# KiCad board 4servoboard-4x4.kicad_pcb (continued)
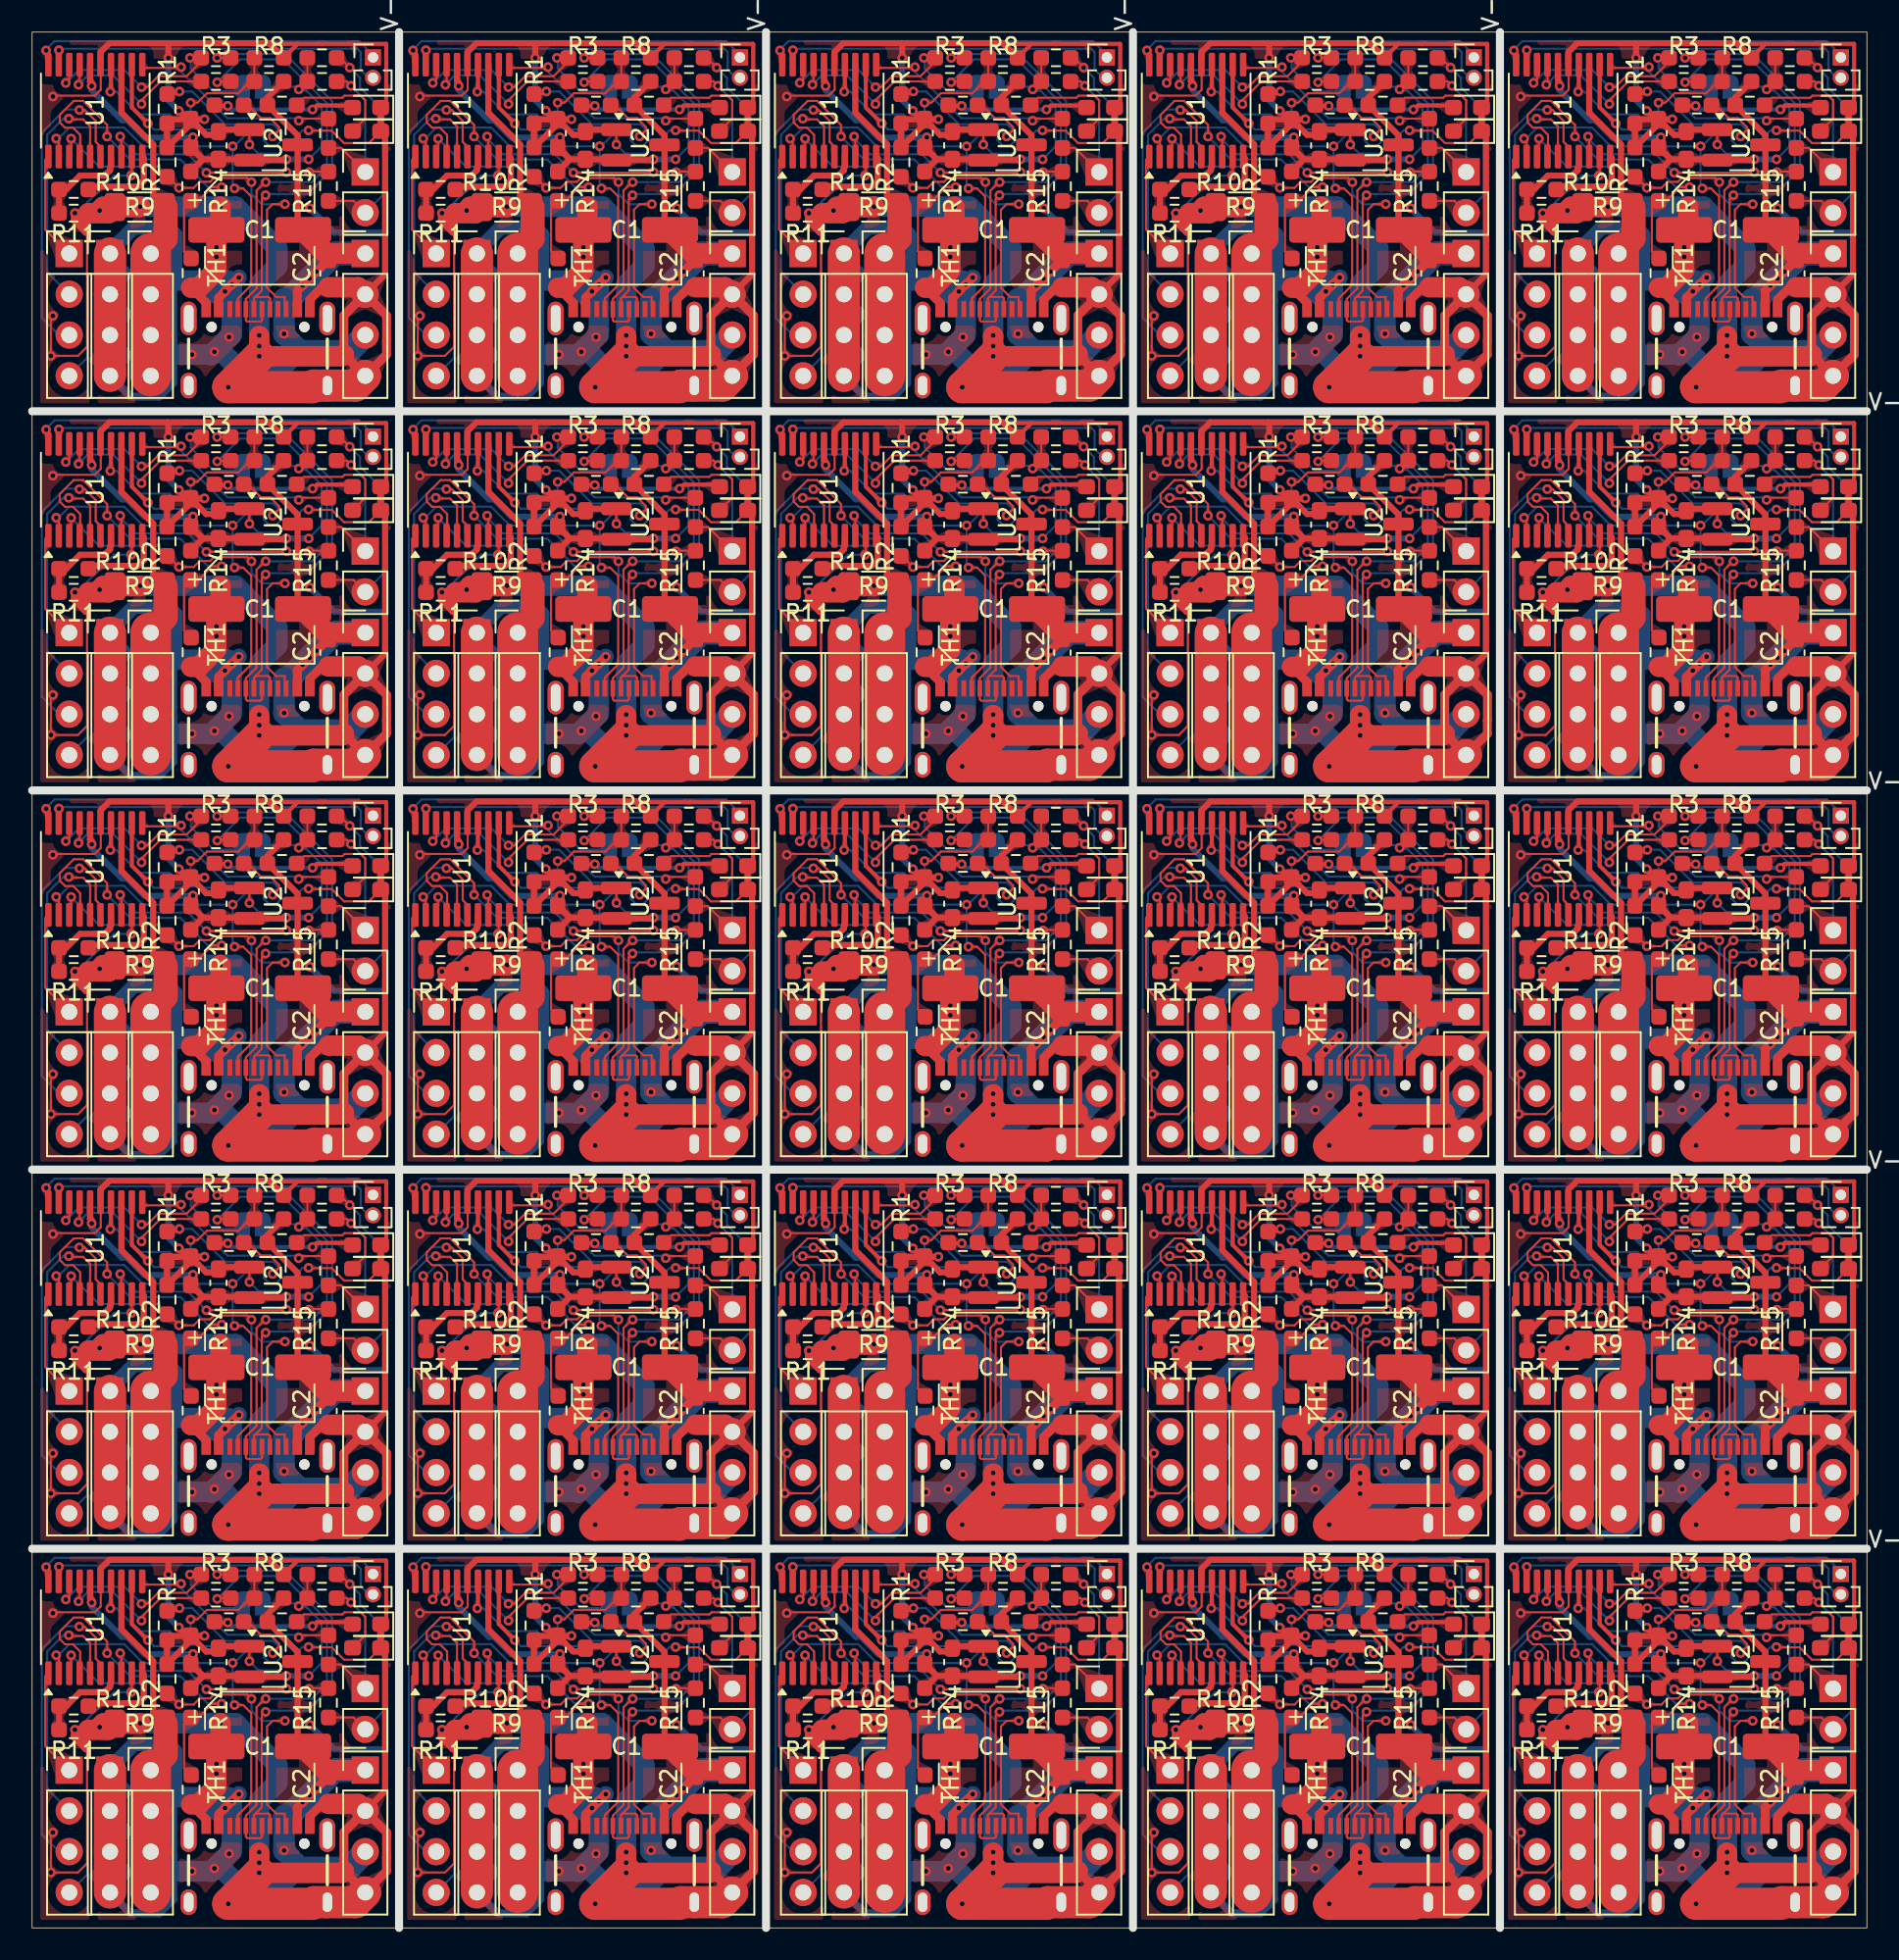
[diagram p0: board, top side]
## Routing (per net, layer and track width the routed paths; a pad name or vN(x,y) marks a point on that pad's centre or on a via; arc(x,y) is an arc through that point) (continued)
  Bottom w0.127: v1(71.47,20.34) 71.64,20.34 71.73,20.43 71.73,20.61 72.05,20.93 73.61,20.93 v1(75.4,19.14) ; v1(48.61,114.83) 48.78,114.83 48.87,114.92 48.87,115.09 49.19,115.42 50.75,115.42 v1(52.54,113.63) ; v1(25.75,91.21) 25.92,91.21 26.01,91.3 26.01,91.47 26.33,91.8 27.89,91.8 v1(29.68,90.01) ; v1(2.89,114.83) 3.06,114.83 3.15,114.92 3.15,115.09 3.47,115.42 5.03,115.42 v1(6.82,113.63) ; v1(29.68,42.76) 27.89,44.55 26.33,44.55 26.01,44.23 26.01,44.05 25.92,43.96 v1(25.75,43.96) ; v1(75.4,113.63) 73.61,115.42 72.05,115.42 71.73,115.09 71.73,114.92 71.64,114.83 v1(71.47,114.83) ; v1(71.47,43.96) 71.64,43.96 71.73,44.05 71.73,44.23 72.05,44.55 73.61,44.55 v1(75.4,42.76) ; v1(98.26,42.76) 96.47,44.55 94.91,44.55 94.59,44.23 94.59,44.05 94.5,43.96 v1(94.33,43.96) ; v1(25.75,20.34) 25.92,20.34 26.01,20.43 26.01,20.61 26.33,20.93 27.89,20.93 v1(29.68,19.14) ; v1(48.61,67.59) 48.78,67.59 48.87,67.67 48.87,67.85 49.19,68.17 50.75,68.17 v1(52.54,66.39) ; v1(48.61,20.34) 48.78,20.34 48.87,20.43 48.87,20.61 49.19,20.93 50.75,20.93 v1(52.54,19.14) ; v1(52.54,90.01) 50.75,91.8 49.19,91.8 48.87,91.47 48.87,91.3 48.78,91.21 v1(48.61,91.21) ; v1(94.33,114.83) 94.5,114.83 94.59,114.92 94.59,115.09 94.91,115.42 96.47,115.42 v1(98.26,113.63) ; v1(6.82,90.01) 5.03,91.8 3.47,91.8 3.15,91.47 3.15,91.3 3.06,91.21 v1(2.89,91.21) ; v1(71.47,67.59) 71.64,67.59 71.73,67.67 71.73,67.85 72.05,68.17 73.61,68.17 v1(75.4,66.39) ; v1(71.47,91.21) 71.64,91.21 71.73,91.3 71.73,91.47 72.05,91.8 73.61,91.8 v1(75.4,90.01) ; v1(25.75,114.83) 25.92,114.83 26.01,114.92 26.01,115.09 26.33,115.42 27.89,115.42 v1(29.68,113.63) ; v1(29.68,66.39) 27.89,68.17 26.33,68.17 26.01,67.85 26.01,67.67 25.92,67.59 v1(25.75,67.59) ; v1(52.54,42.76) 50.75,44.55 49.19,44.55 48.87,44.23 48.87,44.05 48.78,43.96 v1(48.61,43.96) ; v1(94.33,20.34) 94.5,20.34 94.59,20.43 94.59,20.61 94.91,20.93 96.47,20.93 v1(98.26,19.14) ; v1(98.26,66.39) 96.47,68.17 94.91,68.17 94.59,67.85 94.59,67.67 94.5,67.59 v1(94.33,67.59) ; v1(2.89,43.96) 3.06,43.96 3.15,44.05 3.15,44.23 3.47,44.55 5.03,44.55 v1(6.82,42.76) ; v1(2.89,67.59) 3.06,67.59 3.15,67.67 3.15,67.85 3.47,68.17 5.03,68.17 v1(6.82,66.39) ; v1(94.33,91.21) 94.5,91.21 94.59,91.3 94.59,91.47 94.91,91.8 96.47,91.8 v1(98.26,90.01) ; v1(2.89,20.34) 3.06,20.34 3.15,20.43 3.15,20.61 3.47,20.93 5.03,20.93 v1(6.82,19.14)
DP: length 417.1
  Top w0.127: v1(24.96,20.46) 25.03,20.53 25.05,20.53 25.17,20.65 U1#19.18 ; U1#15.18 2.31,20.65 2.19,20.53 2.17,20.53 v1(2.1,20.46) ; v1(55.55,92.88) 55.61,92.83 56.2,92.83 R3#13.2 56.26,92.66 55.34,91.74 53.58,91.74 52.89,91.06 v1(52.54,91.06) ; v1(47.82,20.46) 47.89,20.53 47.91,20.53 48.03,20.65 U1#9.18 ; v1(55.55,69.26) 55.61,69.21 56.2,69.21 R3#20.2 56.26,69.04 55.34,68.12 53.58,68.12 52.89,67.44 v1(52.54,67.44) ; v1(70.68,91.32) 70.75,91.39 70.77,91.39 70.89,91.52 U1#18.18 ; U1#2.18 70.89,20.65 70.77,20.53 70.75,20.53 v1(70.68,20.46) ; v1(2.1,67.7) 2.17,67.77 2.19,67.77 2.31,67.89 U1#6.18 ; v1(29.68,20.19) 30.03,20.19 30.72,20.88 32.48,20.88 33.4,21.79 R3#16.2 33.34,21.96 32.75,21.96 v1(32.69,22.02) ; v1(6.82,114.68) 7.17,114.68 7.86,115.36 9.62,115.36 10.54,116.28 R3#22.2 10.48,116.45 9.89,116.45 v1(9.83,116.51) ; v1(78.41,92.88) 78.47,92.83 79.06,92.83 R3#12.2 79.12,92.66 78.2,91.74 76.44,91.74 75.75,91.06 v1(75.4,91.06) ; v1(78.41,22.02) 78.47,21.96 79.06,21.96 R3#3.2 79.12,21.79 78.2,20.88 76.44,20.88 75.75,20.19 v1(75.4,20.19) ; v1(70.68,114.95) 70.75,115.02 70.77,115.02 70.89,115.14 U1#16.18 ; v1(70.68,44.08) 70.75,44.15 70.77,44.15 70.89,44.27 U1#17.18 ; U1#13.18 93.75,115.14 93.63,115.02 93.61,115.02 v1(93.54,114.95) ; v1(98.26,114.68) 98.61,114.68 99.3,115.36 101.06,115.36 101.98,116.28 R3#14.2 101.92,116.45 101.33,116.45 v1(101.27,116.51) ; v1(32.69,69.26) 32.75,69.21 33.34,69.21 R3#17.2 33.4,69.04 32.48,68.12 30.72,68.12 30.03,67.44 v1(29.68,67.44) ; v1(32.69,45.64) 32.75,45.59 33.34,45.59 R3#15.2 33.4,45.42 32.48,44.5 30.72,44.5 30.03,43.82 v1(29.68,43.82) ; v1(70.68,67.7) 70.75,67.77 70.77,67.77 70.89,67.89 U1#3.18 ; U1.18 25.17,91.52 25.05,91.39 25.03,91.39 v1(24.96,91.32) ; v1(9.83,45.64) 9.89,45.59 10.48,45.59 R3#25.2 10.54,45.42 9.62,44.5 7.86,44.5 7.17,43.82 v1(6.82,43.82) ; v1(98.26,91.06) 98.61,91.06 99.3,91.74 101.06,91.74 101.98,92.66 R3#7.2 101.92,92.83 101.33,92.83 v1(101.27,92.88) ; v1(93.54,91.32) 93.61,91.39 93.63,91.39 93.75,91.52 U1#5.18 ; v1(2.1,114.95) 2.17,115.02 2.19,115.02 2.31,115.14 U1#20.18 ; v1(47.82,44.08) 47.89,44.15 47.91,44.15 48.03,44.27 U1#22.18 ; v1(75.4,67.44) 75.75,67.44 76.44,68.12 78.2,68.12 79.12,69.04 R3#18.2 79.06,69.21 78.47,69.21 v1(78.41,69.26) ; U1#8.18 2.31,44.27 2.19,44.15 2.17,44.15 v1(2.1,44.08) ; U1#4.18 93.75,20.65 93.63,20.53 93.61,20.53 v1(93.54,20.46) ; v1(98.26,43.82) 98.61,43.82 99.3,44.5 101.06,44.5 101.98,45.42 R3#11.2 101.92,45.59 101.33,45.59 v1(101.27,45.64) ; U1#12.18 93.75,44.27 93.63,44.15 93.61,44.15 v1(93.54,44.08) ; U1#7.18 2.31,91.52 2.19,91.39 2.17,91.39 v1(2.1,91.32) ; v1(98.26,67.44) 98.61,67.44 99.3,68.12 101.06,68.12 101.98,69.04 R3#21.2 101.92,69.21 101.33,69.21 v1(101.27,69.26) ; v1(9.83,69.26) 9.89,69.21 10.48,69.21 R3#5.2 10.54,69.04 9.62,68.12 7.86,68.12 7.17,67.44 v1(6.82,67.44) ; U1#24.18 25.17,115.14 25.05,115.02 25.03,115.02 v1(24.96,114.95) ; v1(52.54,114.68) 52.89,114.68 53.58,115.36 55.34,115.36 56.26,116.28 R3#4.2 56.2,116.45 55.61,116.45 v1(55.55,116.51) ; v1(93.54,67.7) 93.61,67.77 93.63,67.77 93.75,67.89 U1#11.18 ; v1(55.55,22.02) 55.61,21.96 56.2,21.96 R3#23.2 56.26,21.79 55.34,20.88 53.58,20.88 52.89,20.19 v1(52.54,20.19) ; U1#23.18 25.17,44.27 25.05,44.15 25.03,44.15 v1(24.96,44.08) ; v1(9.83,22.02) 9.89,21.96 10.48,21.96 R3#8.2 10.54,21.79 9.62,20.88 7.86,20.88 7.17,20.19 v1(6.82,20.19) ; v1(78.41,116.51) 78.47,116.45 79.06,116.45 R3#24.2 79.12,116.28 78.2,115.36 76.44,115.36 75.75,114.68 v1(75.4,114.68) ; v1(52.54,43.82) 52.89,43.82 53.58,44.5 55.34,44.5 56.26,45.42 R3#2.2 56.2,45.59 55.61,45.59 v1(55.55,45.64) ; U1#10.18 48.03,91.52 47.91,91.39 47.89,91.39 v1(47.82,91.32) ; v1(78.41,45.64) 78.47,45.59 79.06,45.59 R3.2 79.12,45.42 78.2,44.5 76.44,44.5 75.75,43.82 v1(75.4,43.82) ; v1(98.26,20.19) 98.61,20.19 99.3,20.88 101.06,20.88 101.98,21.79 R3#6.2 101.92,21.96 101.33,21.96 v1(101.27,22.02) ; U1#14.18 25.17,67.89 25.05,67.77 25.03,67.77 v1(24.96,67.7) ; v1(9.83,92.88) 9.89,92.83 10.48,92.83 R3#19.2 10.54,92.66 9.62,91.74 7.86,91.74 7.17,91.06 v1(6.82,91.06) ; v1(32.69,116.51) 32.75,116.45 33.34,116.45 R3#10.2 33.4,116.28 32.48,115.36 30.72,115.36 30.03,114.68 v1(29.68,114.68) ; U1#25.18 48.03,67.89 47.91,67.77 47.89,67.77 v1(47.82,67.7) ; v1(32.69,92.88) 32.75,92.83 33.34,92.83 R3#9.2 33.4,92.66 32.48,91.74 30.72,91.74 30.03,91.06 v1(29.68,91.06) ; v1(47.82,114.95) 47.89,115.02 47.91,115.02 48.03,115.14 U1#21.18
  Bottom w0.127: v1(98.26,114.68) 97.19,115.75 94.36,115.75 93.86,115.25 93.86,115.25 93.56,114.95 v1(93.54,114.95) ; v1(78.41,69.26) 78.46,69.21 78.46,68.59 79.88,67.18 81.37,67.18 JP1#2.1 ; v1(75.4,91.06) 74.33,92.12 71.5,92.12 71,91.63 71,91.63 70.7,91.32 v1(70.68,91.32) ; v1(98.26,91.06) 97.19,92.12 94.36,92.12 93.86,91.63 93.86,91.63 93.56,91.32 v1(93.54,91.32) ; JP1#9.1 104.23,19.93 102.74,19.93 101.32,21.35 101.32,21.97 v1(101.27,22.02) ; v1(75.4,67.44) 74.33,68.5 71.5,68.5 71,68.01 71,68.01 70.7,67.7 v1(70.68,67.7) ; v1(9.83,116.51) 9.88,116.45 9.88,115.84 11.3,114.42 12.79,114.42 JP1#7.1 ; v1(55.55,116.51) 55.6,116.45 55.6,115.84 57.02,114.42 58.51,114.42 JP1#5.1 ; v1(52.54,43.82) 51.47,44.88 48.64,44.88 48.14,44.39 48.14,44.39 47.84,44.08 v1(47.82,44.08) ; JP1#11.1 35.65,19.93 34.16,19.93 32.74,21.35 32.74,21.97 v1(32.69,22.02) ; v1(32.69,92.88) 32.74,92.83 32.74,92.21 34.16,90.8 35.65,90.8 JP1#24.1 ; JP1.1 81.37,19.93 79.88,19.93 78.46,21.35 78.46,21.97 v1(78.41,22.02) ; v1(78.41,45.64) 78.46,45.59 78.46,44.97 79.88,43.56 81.37,43.56 JP1#22.1 ; v1(75.4,20.19) 74.33,21.26 71.5,21.26 71,20.76 71,20.76 70.7,20.46 v1(70.68,20.46) ; v1(6.82,20.19) 5.75,21.26 2.92,21.26 2.42,20.76 2.42,20.76 2.12,20.46 v1(2.1,20.46) ; v1(98.26,20.19) 97.19,21.26 94.36,21.26 93.86,20.76 93.86,20.76 93.56,20.46 v1(93.54,20.46) ; v1(55.55,45.64) 55.6,45.59 55.6,44.97 57.02,43.56 58.51,43.56 JP1#19.1 ; v1(9.83,69.26) 9.88,69.21 9.88,68.59 11.3,67.18 12.79,67.18 JP1#13.1 ; v1(29.68,67.44) 28.61,68.5 25.78,68.5 25.28,68.01 25.28,68.01 24.98,67.7 v1(24.96,67.7) ; JP1#20.1 58.51,67.18 57.02,67.18 55.6,68.59 55.6,69.21 v1(55.55,69.26) ; v1(24.96,114.95) 24.98,114.95 25.28,115.25 25.28,115.25 25.78,115.75 28.61,115.75 v1(29.68,114.68) ; v1(78.41,92.88) 78.46,92.83 78.46,92.21 79.88,90.8 81.37,90.8 JP1#4.1 ; v1(6.82,43.82) 5.75,44.88 2.92,44.88 2.42,44.39 2.42,44.39 2.12,44.08 v1(2.1,44.08) ; v1(2.1,91.32) 2.12,91.32 2.42,91.63 2.42,91.63 2.92,92.12 5.75,92.12 v1(6.82,91.06) ; JP1#21.1 35.65,43.56 34.16,43.56 32.74,44.97 32.74,45.59 v1(32.69,45.64) ; v1(52.54,67.44) 51.47,68.5 48.64,68.5 48.14,68.01 48.14,68.01 47.84,67.7 v1(47.82,67.7) ; v1(98.26,43.82) 97.19,44.88 94.36,44.88 93.86,44.39 93.86,44.39 93.56,44.08 v1(93.54,44.08) ; JP1#16.1 12.79,43.56 11.3,43.56 9.88,44.97 9.88,45.59 v1(9.83,45.64) ; JP1#12.1 35.65,67.18 34.16,67.18 32.74,68.59 32.74,69.21 v1(32.69,69.26) ; v1(6.82,67.44) 5.75,68.5 2.92,68.5 2.42,68.01 2.42,68.01 2.12,67.7 v1(2.1,67.7) ; v1(75.4,43.82) 74.33,44.88 71.5,44.88 71,44.39 71,44.39 70.7,44.08 v1(70.68,44.08) ; v1(2.1,114.95) 2.12,114.95 2.42,115.25 2.42,115.25 2.92,115.75 5.75,115.75 v1(6.82,114.68) ; JP1#6.1 58.51,90.8 57.02,90.8 55.6,92.21 55.6,92.83 v1(55.55,92.88) ; v1(70.68,114.95) 70.7,114.95 71,115.25 71,115.25 71.5,115.75 74.33,115.75 v1(75.4,114.68) ; v1(101.27,45.64) 101.32,45.59 101.32,44.97 102.74,43.56 104.23,43.56 JP1#14.1 ; v1(47.82,20.46) 47.84,20.46 48.14,20.76 48.14,20.76 48.64,21.26 51.47,21.26 v1(52.54,20.19) ; v1(55.55,22.02) 55.6,21.97 55.6,21.35 57.02,19.93 58.51,19.93 JP1#23.1 ; v1(47.82,114.95) 47.84,114.95 48.14,115.25 48.14,115.25 48.64,115.75 51.47,115.75 v1(52.54,114.68) ; v1(52.54,91.06) 51.47,92.12 48.64,92.12 48.14,91.63 48.14,91.63 47.84,91.32 v1(47.82,91.32) ; v1(9.83,22.02) 9.88,21.97 9.88,21.35 11.3,19.93 12.79,19.93 JP1#25.1 ; JP1#10.1 104.23,114.42 102.74,114.42 101.32,115.84 101.32,116.45 v1(101.27,116.51) ; v1(78.41,116.51) 78.46,116.45 78.46,115.84 79.88,114.42 81.37,114.42 JP1#15.1 ; v1(101.27,92.88) 101.32,92.83 101.32,92.21 102.74,90.8 104.23,90.8 JP1#18.1 ; JP1#8.1 12.79,90.8 11.3,90.8 9.88,92.21 9.88,92.83 v1(9.83,92.88) ; v1(24.96,44.08) 24.98,44.08 25.28,44.39 25.28,44.39 25.78,44.88 28.61,44.88 v1(29.68,43.82) ; JP1#3.1 35.65,114.42 34.16,114.42 32.74,115.84 32.74,116.45 v1(32.69,116.51) ; JP1#17.1 104.23,67.18 102.74,67.18 101.32,68.59 101.32,69.21 v1(101.27,69.26) ; v1(24.96,20.46) 24.98,20.46 25.28,20.76 25.28,20.76 25.78,21.26 28.61,21.26 v1(29.68,20.19) ; v1(29.68,91.06) 28.61,92.12 25.78,92.12 25.28,91.63 25.28,91.63 24.98,91.32 v1(24.96,91.32) ; v1(93.54,67.7) 93.56,67.7 93.86,68.01 93.86,68.01 94.36,68.5 97.19,68.5 v1(98.26,67.44)
MCU_LED: length 394.5
  Top w0.127: v1(37.85,111.61) 38.25,112.01 38.25,112.19 37.69,112.75 37.11,112.75 36.3,113.56 R6#2.2 ; v1(14.99,87.99) 15.39,88.39 15.39,88.57 14.83,89.13 14.25,89.13 13.44,89.94 R6#19.2 ; R6#9.2 36.3,42.7 37.11,41.88 37.69,41.88 38.25,41.32 38.25,41.14 v1(37.85,40.74) ; R6#14.2 82.02,113.56 82.83,112.75 83.41,112.75 83.97,112.19 83.97,112.01 v1(83.57,111.61) ; v1(106.43,17.12) 106.83,17.52 106.83,17.7 106.27,18.26 105.69,18.26 104.88,19.08 R6#11.2 ; R6#24.2 36.3,66.32 37.11,65.51 37.69,65.51 38.25,64.95 38.25,64.76 v1(37.85,64.36) ; v1(14.99,64.36) 15.39,64.76 15.39,64.95 14.83,65.51 14.25,65.51 13.44,66.32 R6#16.2 ; R6#4.2 13.44,113.56 14.25,112.75 14.83,112.75 15.39,112.19 15.39,112.01 v1(14.99,111.61) ; v1(37.85,87.99) 38.25,88.39 38.25,88.57 37.69,89.13 37.11,89.13 36.3,89.94 R6#18.2 ; R6#5.2 104.88,66.32 105.69,65.51 106.27,65.51 106.83,64.95 106.83,64.76 v1(106.43,64.36) ; v1(83.57,17.12) 83.97,17.52 83.97,17.7 83.41,18.26 82.83,18.26 82.02,19.08 R6#13.2 ; R6#22.2 36.3,19.08 37.11,18.26 37.69,18.26 38.25,17.7 38.25,17.52 v1(37.85,17.12) ; R6#15.2 13.44,42.7 14.25,41.88 14.83,41.88 15.39,41.32 15.39,41.14 v1(14.99,40.74) ; R6#6.2 59.16,19.08 59.97,18.26 60.55,18.26 61.11,17.7 61.11,17.52 v1(60.71,17.12) ; R6.2 104.88,113.56 105.69,112.75 106.27,112.75 106.83,112.19 106.83,112.01 v1(106.43,111.61) ; R6#3.2 13.44,19.08 14.25,18.26 14.83,18.26 15.39,17.7 15.39,17.52 v1(14.99,17.12) ; R6#7.2 82.02,89.94 82.83,89.13 83.41,89.13 83.97,88.57 83.97,88.39 v1(83.57,87.99) ; v1(106.43,40.74) 106.83,41.14 106.83,41.32 106.27,41.88 105.69,41.88 104.88,42.7 R6#23.2 ; v1(83.57,64.36) 83.97,64.76 83.97,64.95 83.41,65.51 82.83,65.51 82.02,66.32 R6#8.2 ; v1(60.71,64.36) 61.11,64.76 61.11,64.95 60.55,65.51 59.97,65.51 59.16,66.32 R6#17.2 ; R6#10.2 104.88,89.94 105.69,89.13 106.27,89.13 106.83,88.57 106.83,88.39 v1(106.43,87.99) ; R6#21.2 59.16,89.94 59.97,89.13 60.55,89.13 61.11,88.57 61.11,88.39 v1(60.71,87.99) ; R6#20.2 82.02,42.7 82.83,41.88 83.41,41.88 83.97,41.32 83.97,41.14 v1(83.57,40.74) ; v1(60.71,40.74) 61.11,41.14 61.11,41.32 60.55,41.88 59.97,41.88 59.16,42.7 R6#12.2 ; v1(60.71,111.61) 61.11,112.01 61.11,112.19 60.55,112.75 59.97,112.75 59.16,113.56 R6#25.2
  Top w0.254: v1(30.07,65.17) 29.07,66.17 U1#14.12 ; v1(52.93,112.42) 51.93,113.42 U1#21.12 ; v1(7.21,65.17) 6.21,66.17 U1#6.12 ; v1(98.65,65.17) 97.65,66.17 U1#11.12 ; U1#22.12 51.93,42.55 v1(52.93,41.55) ; U1#23.12 29.07,42.55 v1(30.07,41.55) ; U1#20.12 6.21,113.42 v1(7.21,112.42) ; v1(75.79,88.79) 74.79,89.79 U1#18.12 ; U1#24.12 29.07,113.42 v1(30.07,112.42) ; U1#5.12 97.65,89.79 v1(98.65,88.79) ; v1(98.65,17.93) 97.65,18.93 U1#4.12 ; v1(98.65,112.42) 97.65,113.42 U1#13.12 ; v1(7.21,88.79) 6.21,89.79 U1#7.12 ; U1#3.12 74.79,66.17 v1(75.79,65.17) ; v1(98.65,41.55) 97.65,42.55 U1#12.12 ; U1#17.12 74.79,42.55 v1(75.79,41.55) ; v1(75.79,112.42) 74.79,113.42 U1#16.12 ; U1#25.12 51.93,66.17 v1(52.93,65.17) ; U1#2.12 74.79,18.93 v1(75.79,17.93) ; v1(52.93,88.79) 51.93,89.79 U1#10.12 ; v1(7.21,41.55) 6.21,42.55 U1#8.12 ; U1.12 29.07,89.79 v1(30.07,88.79) ; U1#9.12 51.93,18.93 v1(52.93,17.93) ; U1#15.12 6.21,18.93 v1(7.21,17.93) ; v1(30.07,17.93) 29.07,18.93 U1#19.12
  Bottom w0.127: v1(60.71,87.99) 60.27,88.42 56.06,88.42 55.97,88.5 55.51,88.5 55.42,88.42 53.31,88.42 v1(52.93,88.79) ; v1(98.65,65.17) 99.03,64.8 101.14,64.8 101.23,64.88 101.69,64.88 101.78,64.8 105.99,64.8 v1(106.43,64.36) ; v1(98.65,112.42) 99.03,112.04 101.14,112.04 101.23,112.12 101.69,112.12 101.78,112.04 105.99,112.04 v1(106.43,111.61) ; v1(83.57,64.36) 83.13,64.8 78.92,64.8 78.83,64.88 78.37,64.88 78.28,64.8 76.17,64.8 v1(75.79,65.17) ; v1(37.85,17.12) 37.41,17.55 33.2,17.55 33.11,17.63 32.65,17.63 32.56,17.55 30.45,17.55 v1(30.07,17.93) ; v1(14.99,40.74) 14.55,41.17 10.34,41.17 10.25,41.26 9.79,41.26 9.7,41.17 7.59,41.17 v1(7.21,41.55) ; v1(106.43,87.99) 105.99,88.42 101.78,88.42 101.69,88.5 101.23,88.5 101.14,88.42 99.03,88.42 v1(98.65,88.79) ; v1(7.21,112.42) 7.59,112.04 9.7,112.04 9.79,112.12 10.25,112.12 10.34,112.04 14.55,112.04 v1(14.99,111.61) ; v1(83.57,17.12) 83.13,17.55 78.92,17.55 78.83,17.63 78.37,17.63 78.28,17.55 76.17,17.55 v1(75.79,17.93) ; v1(14.99,64.36) 14.55,64.8 10.34,64.8 10.25,64.88 9.79,64.88 9.7,64.8 7.59,64.8 v1(7.21,65.17) ; v1(60.71,111.61) 60.27,112.04 56.06,112.04 55.97,112.12 55.51,112.12 55.42,112.04 53.31,112.04 v1(52.93,112.42) ; v1(83.57,87.99) 83.13,88.42 78.92,88.42 78.83,88.5 78.37,88.5 78.28,88.42 76.17,88.42 v1(75.79,88.79) ; v1(30.07,88.79) 30.45,88.42 32.56,88.42 32.65,88.5 33.11,88.5 33.2,88.42 37.41,88.42 v1(37.85,87.99) ; v1(52.93,65.17) 53.31,64.8 55.42,64.8 55.51,64.88 55.97,64.88 56.06,64.8 60.27,64.8 v1(60.71,64.36) ; v1(37.85,111.61) 37.41,112.04 33.2,112.04 33.11,112.12 32.65,112.12 32.56,112.04 30.45,112.04 v1(30.07,112.42) ; v1(83.57,40.74) 83.13,41.17 78.92,41.17 78.83,41.26 78.37,41.26 78.28,41.17 76.17,41.17 v1(75.79,41.55) ; v1(60.71,17.12) 60.27,17.55 56.06,17.55 55.97,17.63 55.51,17.63 55.42,17.55 53.31,17.55 v1(52.93,17.93) ; v1(83.57,111.61) 83.13,112.04 78.92,112.04 78.83,112.12 78.37,112.12 78.28,112.04 76.17,112.04 v1(75.79,112.42) ; v1(37.85,64.36) 37.41,64.8 33.2,64.8 33.11,64.88 32.65,64.88 32.56,64.8 30.45,64.8 v1(30.07,65.17) ; v1(7.21,88.79) 7.59,88.42 9.7,88.42 9.79,88.5 10.25,88.5 10.34,88.42 14.55,88.42 v1(14.99,87.99) ; v1(106.43,40.74) 105.99,41.17 101.78,41.17 101.69,41.26 101.23,41.26 101.14,41.17 99.03,41.17 v1(98.65,41.55) ; v1(106.43,17.12) 105.99,17.55 101.78,17.55 101.69,17.63 101.23,17.63 101.14,17.55 99.03,17.55 v1(98.65,17.93) ; v1(7.21,17.93) 7.59,17.55 9.7,17.55 9.79,17.63 10.25,17.63 10.34,17.55 14.55,17.55 v1(14.99,17.12) ; v1(37.85,40.74) 37.41,41.17 33.2,41.17 33.11,41.26 32.65,41.26 32.56,41.17 30.45,41.17 v1(30.07,41.55) ; v1(60.71,40.74) 60.27,41.17 56.06,41.17 55.97,41.26 55.51,41.26 55.42,41.17 53.31,41.17 v1(52.93,41.55)
OPA_N: length 150.7
  Top w0.381: R11#13.1 R10#13.2 24.98,84.68 25.85,85.55 26.88,85.55 26.89,85.55 27.37,85.55 27.41,85.58 27.41,85.6 27.43,85.6 27.71,85.89 27.71,86.06 27.77,86.12 U1.7 ; R11#8.1 R10#12.2 93.56,61.06 94.43,61.93 95.46,61.93 95.47,61.93 95.95,61.93 95.99,61.96 95.99,61.98 96.01,61.98 96.29,62.27 96.29,62.44 96.35,62.49 U1#11.7 ; U1#7.7 4.91,86.12 4.85,86.06 4.85,85.89 4.57,85.6 4.55,85.6 4.55,85.58 4.51,85.55 4.03,85.55 4.02,85.55 2.99,85.55 2.12,84.68 R10#6.2 R11#16.1 ; R11#22.1 R10#2.2 47.84,108.31 48.71,109.17 49.74,109.17 49.75,109.17 50.23,109.17 50.27,109.2 50.27,109.23 50.29,109.23 50.57,109.51 50.57,109.68 50.63,109.74 U1#21.7 ; U1#10.7 50.63,86.12 50.57,86.06 50.57,85.89 50.29,85.6 50.27,85.6 50.27,85.58 50.23,85.55 49.75,85.55 49.74,85.55 48.71,85.55 47.84,84.68 R10#20.2 R11#24.1 ; U1#18.7 73.49,86.12 73.43,86.06 73.43,85.89 73.15,85.6 73.13,85.6 73.13,85.58 73.09,85.55 72.61,85.55 72.6,85.55 71.57,85.55 70.7,84.68 R10#15.2 R11#6.1 ; U1#23.7 27.77,38.87 27.71,38.81 27.71,38.65 27.43,38.36 27.41,38.36 27.41,38.34 27.37,38.3 26.89,38.3 26.88,38.31 25.85,38.31 24.98,37.44 R10#17.2 R11#17.1 ; U1#20.7 4.91,109.74 4.85,109.68 4.85,109.51 4.57,109.23 4.55,109.23 4.55,109.2 4.51,109.17 4.03,109.17 4.02,109.17 2.99,109.17 2.12,108.31 R10#16.2 R11#10.1 ; R11#21.1 R10#8.2 2.12,61.06 2.99,61.93 4.02,61.93 4.03,61.93 4.51,61.93 4.55,61.96 4.55,61.98 4.57,61.98 4.85,62.27 4.85,62.44 4.91,62.49 U1#6.7 ; U1#3.7 73.49,62.49 73.43,62.44 73.43,62.27 73.15,61.98 73.13,61.98 73.13,61.96 73.09,61.93 72.61,61.93 72.6,61.93 71.57,61.93 70.7,61.06 R10#5.2 R11#23.1 ; U1#2.7 73.49,15.25 73.43,15.19 73.43,15.02 73.15,14.74 73.13,14.74 73.13,14.72 73.09,14.68 72.61,14.68 72.6,14.68 71.57,14.68 70.7,13.82 R10#14.2 R11#14.1 ; U1#8.7 4.91,38.87 4.85,38.81 4.85,38.65 4.57,38.36 4.55,38.36 4.55,38.34 4.51,38.3 4.03,38.3 4.02,38.31 2.99,38.31 2.12,37.44 R10#24.2 R11#12.1 ; U1#5.7 96.35,86.12 96.29,86.06 96.29,85.89 96.01,85.6 95.99,85.6 95.99,85.58 95.95,85.55 95.47,85.55 95.46,85.55 94.43,85.55 93.56,84.68 R10#25.2 R11#7.1 ; U1#25.7 50.63,62.49 50.57,62.44 50.57,62.27 50.29,61.98 50.27,61.98 50.27,61.96 50.23,61.93 49.75,61.93 49.74,61.93 48.71,61.93 47.84,61.06 R10.2 R11#3.1 ; R11#2.1 R10#7.2 47.84,37.44 48.71,38.31 49.74,38.31 49.75,38.3 50.23,38.3 50.27,38.34 50.27,38.36 50.29,38.36 50.57,38.65 50.57,38.81 50.63,38.87 U1#22.7 ; R11#15.1 R10#19.2 70.7,108.31 71.57,109.17 72.6,109.17 72.61,109.17 73.09,109.17 73.13,109.2 73.13,109.23 73.15,109.23 73.43,109.51 73.43,109.68 73.49,109.74 U1#16.7 ; R11#20.1 R10#23.2 2.12,13.82 2.99,14.68 4.02,14.68 4.03,14.68 4.51,14.68 4.55,14.72 4.55,14.74 4.57,14.74 4.85,15.02 4.85,15.19 4.91,15.25 U1#15.7 ; R11#11.1 R10#9.2 24.98,61.06 25.85,61.93 26.88,61.93 26.89,61.93 27.37,61.93 27.41,61.96 27.41,61.98 27.43,61.98 27.71,62.27 27.71,62.44 27.77,62.49 U1#14.7 ; U1#13.7 96.35,109.74 96.29,109.68 96.29,109.51 96.01,109.23 95.99,109.23 95.99,109.2 95.95,109.17 95.47,109.17 95.46,109.17 94.43,109.17 93.56,108.31 R10#22.2 R11#4.1 ; U1#17.7 73.49,38.87 73.43,38.81 73.43,38.65 73.15,38.36 73.13,38.36 73.13,38.34 73.09,38.3 72.61,38.3 72.6,38.31 71.57,38.31 70.7,37.44 R10#18.2 R11#9.1 ; U1#12.7 96.35,38.87 96.29,38.81 96.29,38.65 96.01,38.36 95.99,38.36 95.99,38.34 95.95,38.3 95.47,38.3 95.46,38.31 94.43,38.31 93.56,37.44 R10#3.2 R11#5.1 ; U1#19.7 27.77,15.25 27.71,15.19 27.71,15.02 27.43,14.74 27.41,14.74 27.41,14.72 27.37,14.68 26.89,14.68 26.88,14.68 25.85,14.68 24.98,13.82 R10#10.2 R11#19.1 ; R11.1 R10#11.2 47.84,13.82 48.71,14.68 49.74,14.68 49.75,14.68 50.23,14.68 50.27,14.72 50.27,14.74 50.29,14.74 50.57,15.02 50.57,15.19 50.63,15.25 U1#9.7 ; R11#25.1 R10#4.2 93.56,13.82 94.43,14.68 95.46,14.68 95.47,14.68 95.95,14.68 95.99,14.72 95.99,14.74 96.01,14.74 96.29,15.02 96.29,15.19 96.35,15.25 U1#4.7 ; R11#18.1 R10#21.2 24.98,108.31 25.85,109.17 26.88,109.17 26.89,109.17 27.37,109.17 27.41,109.2 27.41,109.23 27.43,109.23 27.71,109.51 27.71,109.68 27.77,109.74 U1#24.7
OPA_O: length 130.8
  Top w0.381: R10#20.1 49.4,84.86 52.32,84.86 52.68,85.22 52.68,86.64 U1#10.10 ; U1#21.10 52.68,110.26 52.68,108.84 52.32,108.48 49.4,108.48 R10#2.1 ; R10#13.1 26.54,84.86 29.46,84.86 29.82,85.22 29.82,86.64 U1.10 ; U1#2.10 75.54,15.77 75.54,14.35 75.18,13.99 72.26,13.99 R10#14.1 ; U1#19.10 29.82,15.77 29.82,14.35 29.46,13.99 26.54,13.99 R10#10.1 ; U1#15.10 6.96,15.77 6.96,14.35 6.6,13.99 3.68,13.99 R10#23.1 ; R10#8.1 3.68,61.24 6.6,61.24 6.96,61.59 6.96,63.01 U1#6.10 ; U1#24.10 29.82,110.26 29.82,108.84 29.46,108.48 26.54,108.48 R10#21.1 ; U1#22.10 52.68,39.39 52.68,37.97 52.32,37.61 49.4,37.61 R10#7.1 ; R10#5.1 72.26,61.24 75.18,61.24 75.54,61.59 75.54,63.01 U1#3.10 ; U1#8.10 6.96,39.39 6.96,37.97 6.6,37.61 3.68,37.61 R10#24.1 ; R10#18.1 72.26,37.61 75.18,37.61 75.54,37.97 75.54,39.39 U1#17.10 ; R10#25.1 95.12,84.86 98.04,84.86 98.4,85.22 98.4,86.64 U1#5.10 ; R10#15.1 72.26,84.86 75.18,84.86 75.54,85.22 75.54,86.64 U1#18.10 ; U1#12.10 98.4,39.39 98.4,37.97 98.04,37.61 95.12,37.61 R10#3.1 ; R10#11.1 49.4,13.99 52.32,13.99 52.68,14.35 52.68,15.77 U1#9.10 ; R10#17.1 26.54,37.61 29.46,37.61 29.82,37.97 29.82,39.39 U1#23.10 ; U1#4.10 98.4,15.77 98.4,14.35 98.04,13.99 95.12,13.99 R10#4.1 ; R10#22.1 95.12,108.48 98.04,108.48 98.4,108.84 98.4,110.26 U1#13.10 ; R10.1 49.4,61.24 52.32,61.24 52.68,61.59 52.68,63.01 U1#25.10 ; R10#19.1 72.26,108.48 75.18,108.48 75.54,108.84 75.54,110.26 U1#16.10 ; R10#16.1 3.68,108.48 6.6,108.48 6.96,108.84 6.96,110.26 U1#20.10 ; R10#12.1 95.12,61.24 98.04,61.24 98.4,61.59 98.4,63.01 U1#11.10 ; R10#6.1 3.68,84.86 6.6,84.86 6.96,85.22 6.96,86.64 U1#7.10 ; U1#14.10 29.82,63.01 29.82,61.59 29.46,61.24 26.54,61.24 R10#9.1
OPA_P: length 522
  Top w0.381: R9#20.1 30.4,37.06 30.4,40.25 28.42,42.22 U1#23.13 ; U1#16.13 74.14,113.09 76.12,111.11 76.12,107.93 R9#24.1 ; R9#13.1 7.54,37.06 7.54,40.25 5.56,42.22 U1#8.13 ; R9#25.1 98.98,107.93 98.98,111.11 97,113.09 U1#13.13 ; U1#14.13 28.42,65.85 30.4,63.87 30.4,60.68 R9#10.1 ; R9.1 98.98,60.68 98.98,63.87 97,65.85 U1#11.13 ; R9#15.1 76.12,60.68 76.12,63.87 74.14,65.85 U1#3.13 ; R9#19.1 76.12,84.31 76.12,87.49 74.14,89.47 U1#18.13 ; R9#17.1 7.54,107.93 7.54,111.11 5.56,113.09 U1#20.13 ; U1#10.13 51.28,89.47 53.26,87.49 53.26,84.31 R9#18.1 ; R9#14.1 7.54,13.44 7.54,16.62 5.56,18.6 U1#15.13 ; R9#6.1 53.26,107.93 53.26,111.11 51.28,113.09 U1#21.13 ; R9#11.1 30.4,13.44 30.4,16.62 28.42,18.6 U1#19.13 ; R9#16.1 30.4,84.31 30.4,87.49 28.42,89.47 U1.13 ; U1#17.13 74.14,42.22 76.12,40.25 76.12,37.06 R9#7.1 ; U1#12.13 97,42.22 98.98,40.25 98.98,37.06 R9#8.1 ; R9#23.1 53.26,13.44 53.26,16.62 51.28,18.6 U1#9.13 ; U1#7.13 5.56,89.47 7.54,87.49 7.54,84.31 R9#12.1 ; R9#22.1 76.12,13.44 76.12,16.62 74.14,18.6 U1#2.13 ; R9#5.1 53.26,60.68 53.26,63.87 51.28,65.85 U1#25.13 ; R9#21.1 30.4,107.93 30.4,111.11 28.42,113.09 U1#24.13 ; R9#4.1 53.26,37.06 53.26,40.25 51.28,42.22 U1#22.13 ; R9#3.1 98.98,13.44 98.98,16.62 97,18.6 U1#4.13 ; R9#9.1 7.54,60.68 7.54,63.87 5.56,65.85 U1#6.13 ; R9#2.1 98.98,84.31 98.98,87.49 97,89.47 U1#5.13
  Top w1.5: 99.76,59.97 99.76,58 J4.1 ; J4#14.1 76.9,105.24 76.9,107.21 ; J4#17.1 54.04,34.38 54.04,36.35 ; J4#10.1 8.32,34.38 8.32,36.35 ; 99.76,36.35 99.76,34.38 J4#21.1 ; 54.04,59.97 54.04,58 J4#11.1 ; 31.18,12.73 31.18,10.76 J4#15.1 ; 99.76,83.59 99.76,81.62 J4#4.1 ; J4#19.1 76.9,34.38 76.9,36.35 ; 8.32,83.59 8.32,81.62 J4#23.1 ; 8.32,12.73 8.32,10.76 J4#20.1 ; 31.18,107.21 31.18,105.24 J4#7.1 ; J4#6.1 76.9,81.62 76.9,83.59 ; 31.18,59.97 31.18,58 J4#3.1 ; 76.9,12.73 76.9,10.76 J4#2.1 ; J4#9.1 99.76,10.76 99.76,12.73 ; J4#13.1 99.76,105.24 99.76,107.21 ; J4#25.1 54.04,10.76 54.04,12.73 ; J4#12.1 76.9,58 76.9,59.97 ; J4#5.1 31.18,34.38 31.18,36.35 ; 54.04,83.59 54.04,81.62 J4#16.1 ; 8.32,59.97 8.32,58 J4#24.1 ; 31.18,83.59 31.18,81.62 J4#8.1 ; 54.04,107.21 54.04,105.24 J4#22.1 ; J4#18.1 8.32,105.24 8.32,107.21
  Top w2.54: J4#15.1 J4#15.2 J4#15.3 J4#15.4 ; J4#8.1 J4#8.2 J4#8.3 J4#8.4 ; J4#5.1 J4#5.2 J4#5.3 J4#5.4 ; J4#24.4 J4#24.3 J4#24.2 J4#24.1 ; J4#11.4 J4#11.3 J4#11.2 J4#11.1 ; J4#10.4 J4#10.3 J4#10.2 J4#10.1 ; J4#12.4 J4#12.3 J4#12.2 J4#12.1 ; J4#14.1 J4#14.2 J4#14.3 J4#14.4 ; J4#25.4 J4#25.3 J4#25.2 J4#25.1 ; J4#19.1 J4#19.2 J4#19.3 J4#19.4 ; J4#2.1 J4#2.2 J4#2.3 J4#2.4 ; J4.4 J4.3 J4.2 J4.1 ; J4#7.4 J4#7.3 J4#7.2 J4#7.1 ; J4#23.1 J4#23.2 J4#23.3 J4#23.4 ; J4#16.4 J4#16.3 J4#16.2 J4#16.1 ; J4#20.1 J4#20.2 J4#20.3 J4#20.4 ; J4#18.4 J4#18.3 J4#18.2 J4#18.1 ; J4#21.1 J4#21.2 J4#21.3 J4#21.4 ; J4#17.4 J4#17.3 J4#17.2 J4#17.1 ; J4#6.1 J4#6.2 J4#6.3 J4#6.4 ; J4#4.4 J4#4.3 J4#4.2 J4#4.1 ; J4#9.1 J4#9.2 J4#9.3 J4#9.4 ; J4#13.1 J4#13.2 J4#13.3 J4#13.4 ; J4#3.4 J4#3.3 J4#3.2 J4#3.1 ; J4#22.1 J4#22.2 J4#22.3 J4#22.4
